# Altium PCB harmonicAnalyzerPcb_r002.PcbDoc (continued)
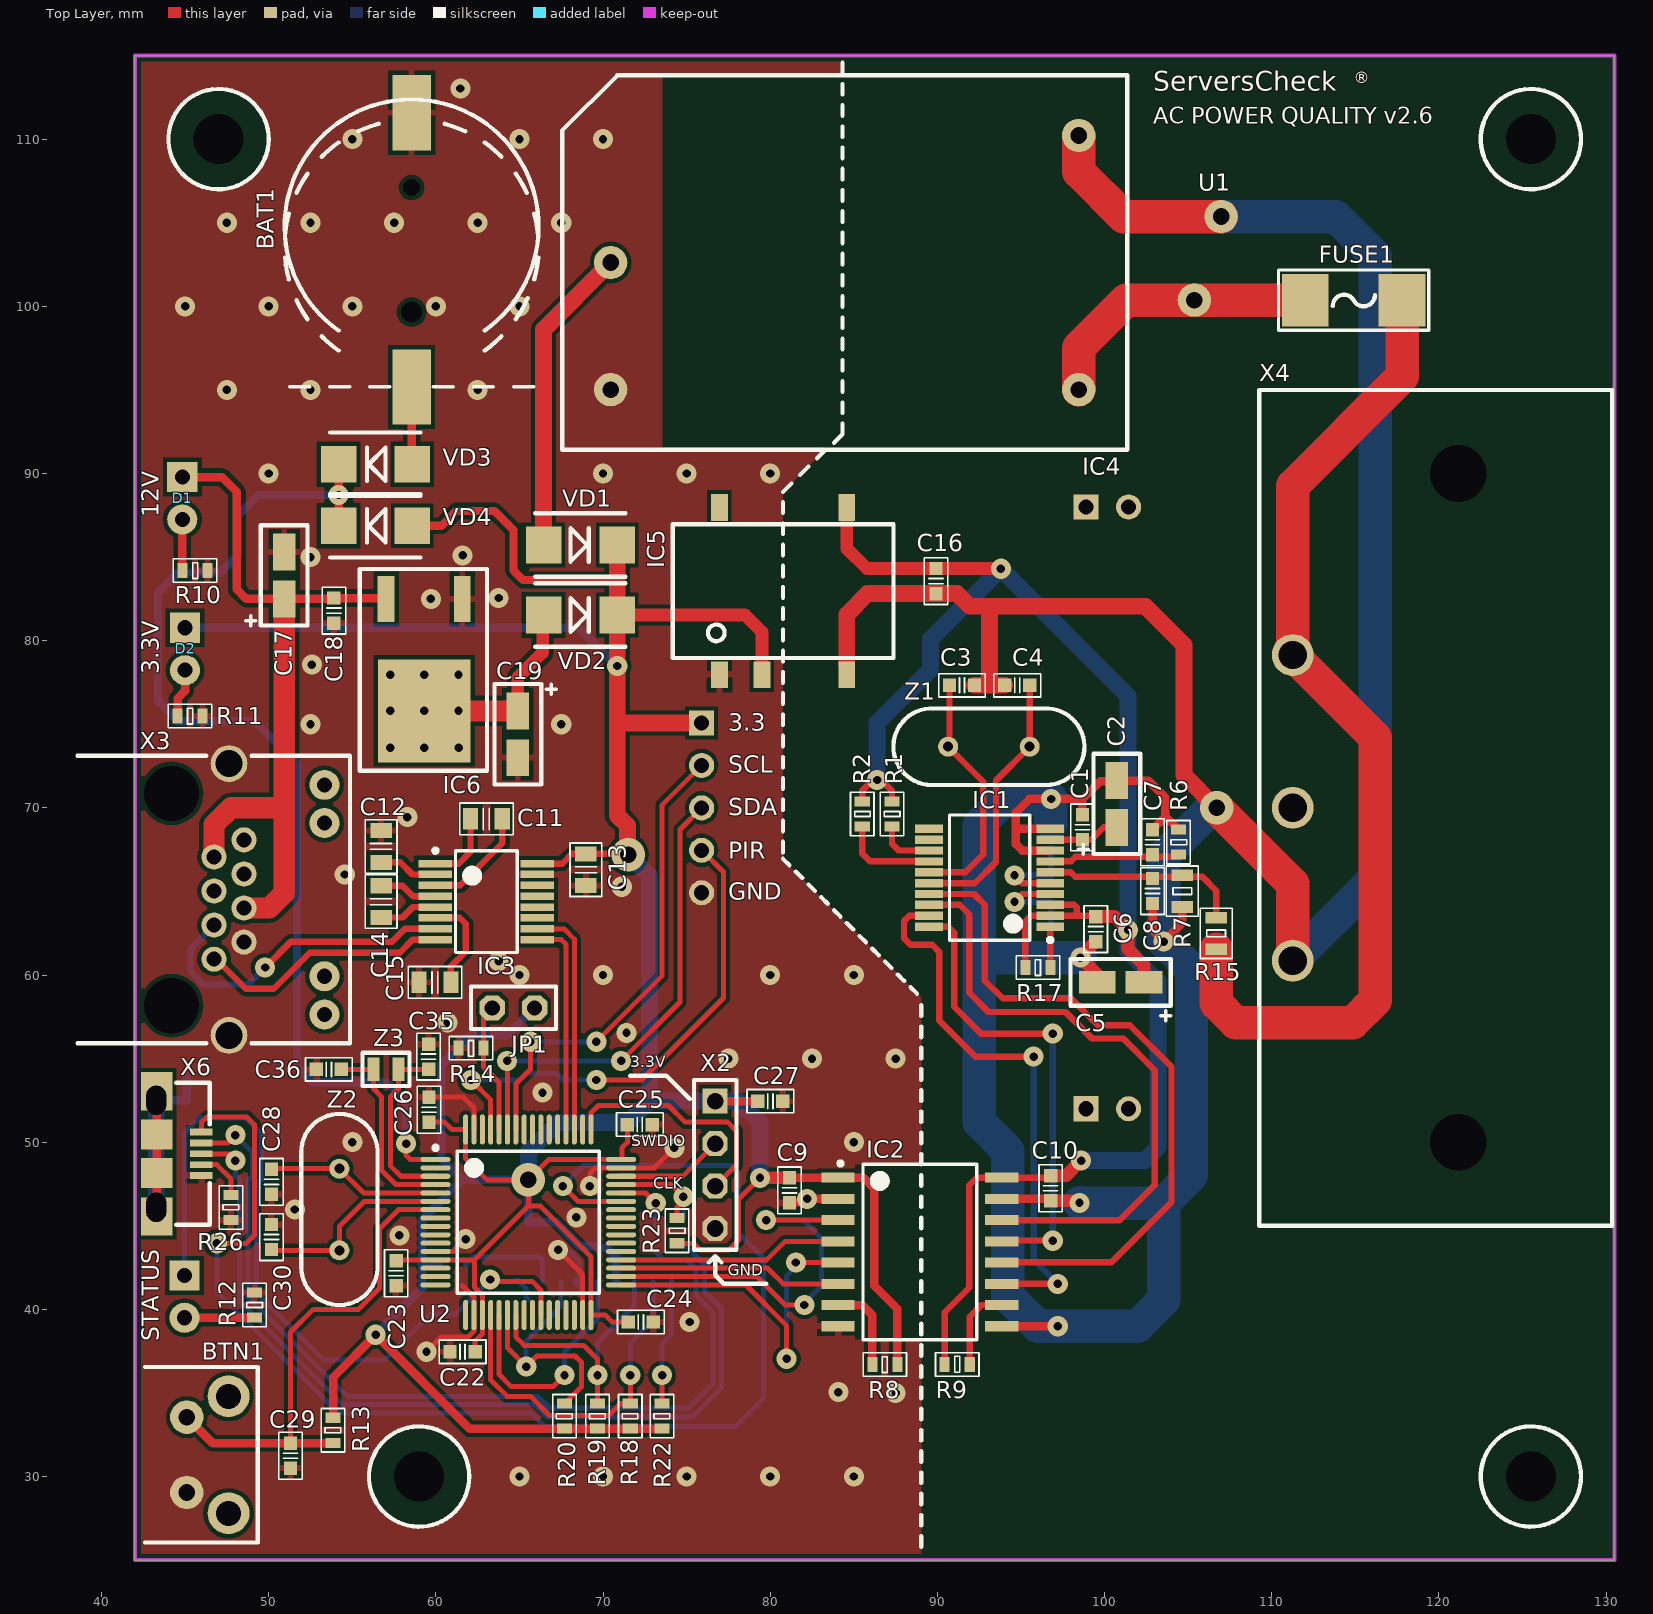
[diagram p0: Top Layer view]
## Part data
BTN1: "Push button"
C1 C3 C4 C6 C7 C8 C9 C10 C16 C18 C22 C23 C24 C25 C26 C27 C28 C29 C30 C31 C34 C35 C36: library part C0603, "Capacitor"
C2 C5 C17 C19 C32 C33: library part "Tantalum Capacitor", "Tantalum Capacitor"
C11 C12 C13 C14 C15: library part C0805, "Capacitor"
IC1: library part ADE7753ARSZ, "Data Acquisition ADC/DAC"
IC2: "Quad-Channel Digital Isolators"
IC3: "RS-232 Line Driver/Receiver With ±15-kV ESD Protection"
IC4: library part AC/DC
IC5: library part "TES 1-0511", "Isolated DC/DC Converter", Link=https://eu.mouser.com/ProductDetail/TRACO-Power/TES-1-0511?qs=sGAEpiMZZMsF1ODjcwEocH3QqeL6%2foLAEyBjyRDduFs%3d
IC6: "1A LOW DROPOUT VOLTAGE REGULATOR"
JP1: library part JP-2, "Jumper Pins", Type=PLS-2
R1 R2 R3 R4 R5 R6 R8 R9 R10 R11 R12 R13 R14 R17 R18 R19 R20 R21 R22 R23 R24 R25 R26 R27: library part R0603, "Resistor"
R7 R15: library part R0805, "Resistor"
U2: "ARM Cortex-M3 32-bit MCU, 64 KB Flash, 64 KB Internal RAM, 51 I/Os, 64-pin LQFP, -40 to 85 degC, Tray", I/Os (High Current)=51, Operating Frequency(F) (Processor speed) (MHz)=72, Supplier Part Number 1=497-8922-ND, Supply Voltage(Vcc) min (V)=2, A/D Converter="2x12-bit (16 Channel)", ComponentLink1Description="Manufacturer URL", ComponentLink1URL=http://www.st.com/web/en/home.html, ComponentLink2Description=Datasheet, ComponentLink2URL=http://www.st.com/st-web-ui/static/active/en/resource/technical/document/datasheet/CD00220364.pdf, ComponentLink3Description="Package Specification", ComponentLink3URL=http://www.st.com/st-web-ui/static/active/en/resource/technical/document/datasheet/DM00037051.pdf, Core="ARM Cortex-M3", D/A Converter="2x12-bit (2 Channel)", DatasheetVersion="Rev. 6", FLASH Size (Prog) (kB)=64, Internal RAM Size (kB)=64, Mounting Technology="Surface Mount", PackageDescription="64-Pin Low Profile Quad Flat Package, 10 x 10 mm Body, 0.5 mm Pitch", PackageReference=LQFP64, PackageVersion="Rev. 4, 06/2013", Packing=Tray, PartNumber=STM32F105R8T6, Supplier 1=Digi-Key, Supplier 2=Farnell, Supplier 3=Newark, Supplier 4=Newark, Supplier 5=Mouser, Supplier Part Number 2=1737131, Supplier Part Number 3=52R2327, Supplier Part Number 4=25R9439, Supplier Part Number 5=511-STM32F105R8T6
VD1 VD2 VD3 VD4: library part Schottky, "SCHOTTKY BARRIER RECTIFIER"
X1: "Header, 5-Pin", LatestRevisionDate=17-Jul-2002, LatestRevisionNote="Re-released for DXP Platform.", Publisher="Altium Limited"
X3: "Jack Modular Connector"
X5: library part "Micro SD socket", "Micro SD socket"
X7 X8: "Header, 2-Pin", LatestRevisionDate=17-Jul-2002, LatestRevisionNote="Re-released for DXP Platform.", Publisher="Altium Limited"
Z1 Z2 Z3: library part XTAL, "Quartz resonator"

## Free pads (board coordinates)
  round 0 hole 3 unplated: 0(47,110) 0(59,30) 0(125.5,30) 0(125.5,110)

## Via types
v1: diameter 1.2, hole 0.5, Top Layer to Bottom Layer, tented both sides, 64 vias
v2: diameter 1.2, hole 0.5, Top Layer to Bottom Layer, 44 vias
v3: diameter 2, hole 1, Top Layer to Bottom Layer, 3 vias
v4: diameter 1.2, hole 0.5, Top Layer to Bottom Layer, tented top, 3 vias
v5: diameter 1.2, hole 0.5, Top Layer to Bottom Layer, tented bottom, 2 vias

## Nets (pads, with @x,y where several pads share a name; then routed paths per layer and width w, separated by ;. In a path a pad name is that pad's centre, name@x,y a point inside that pad or via, vN(x,y) a via of type N, cw(c..) or ccw(c..) an arc to the next point about the centre after c; other vN are vias at no path point)
3.3V: C9.2 C13.2 C22.1 C23.1 C24.1 C25.1 C26.1 C27.1 C31.1 C32.1 D2.A IC2.1 IC3.16 IC5.2 JP1.2 R8.2 R13.1 R18.2 R19.2 R20.2 R21.2 R22.2 R23.1 U2.13 U2.19 U2.32 U2.48 U2.64 VD1.C VD2.C VD4.A X1.1 X2.1 X5.4 | length 259.6
  Top Layer w0.3: C23.1 57.673,42.962 U2.13 62.306,42.962 ; C26.1 60.529,51.193 60.96,50.762 U2.64 61.782,49.018 63.048,47.752 v3(65.532,47.752) 65.532,46.188 ; C22.1@62.484,37.604 C22.1 62.345,38.088 62.782,38.525 U2.19 62.782,40.85 62.306,41.326 62.306,42.962 ; v3@65.54,47.752 66.75,48.962 U2.48 71.12,48.962 71.12,49.657 71.45,49.987 C25.1 ; C24.1 70.545,39.243 70.126,39.662 U2.32 69.282,43.151 66.244,46.188 65.532,46.188 ; R23.1 75.426,43.954 75.819,43.561 77.533,43.561 78.105,44.133 78.105,46.585 v2(79.387,47.867) ; 62.306,42.962 65.532,46.188
  Top Layer w0.381: IC3.16 67.554,66.665 68.133,67.244 C13.2 71.456,67.244 v3(71.5,67.2)
  Top Layer w0.5: VD4.A 60.325,86.868 61.214,87.757 63.5,87.757 64.643,86.614 64.643,84.201 65.215,83.629 70.85,83.629
  Top Layer w0.508: R13.1 53.848,35.928 v2(56.401,38.481) 62.02,32.862 R20.2 R19.2 R18.2 R22.2 ; X2.1 C27.1 ; C9.2 81.165,47.879 IC2.1 85.572,47.879 86.233,47.218 86.233,41.402 87.606,40.029 R8.2
  Top Layer w0.762: VD2.C 78.486,81.534 79.502,80.518 IC5.2 ; v2(79.387,47.867) C9.2
  Top Layer w1.016: VD1.C 70.85,83.629 VD2.C v2(70.85,78.486) 70.85,75.08 ; v3@71.456,67.244 71.456,68.937 70.85,69.543 70.85,75.08 ; X1.1 70.85,75.08
  Bottom Layer w0.3: 59.182,42.684 R21.2
  Bottom Layer w0.5: 61.57,47.752 60.325,48.997 60.325,54.658 62.058,56.391 64.265,56.391 JP1.2
  Bottom Layer w0.508: D2.A 68.564,80.772 v2(70.85,78.486) ; v2(56.401,38.481) 56.388,38.481 59.182,41.275 59.182,42.684 59.182,45.364 61.57,47.752 v3(65.532,47.752) 65.532,45.215 C32.1 67.188,45.212 68.636,43.764 69.618,43.764 C31.1 70.219,43.7 70.782,43.137 X5.4
  Bottom Layer w1.016: v3(65.532,47.752) 65.532,49.403 67.31,51.181 71.501,51.181 72.771,52.451 ; v3(71.5,67.2) 72.771,65.929 72.771,52.451 ; v2(79.387,47.867) 79.387,51.169 78.105,52.451 X2.1 72.771,52.451
5.0V: U2.43 X6.1 | length 82
  Top Layer w0.3: X6.1 45.974,51.174 46.3,51.5 48.7,51.5 49.149,51.051 49.149,44.449 48.654,43.954 v4(46.9,43.954) ; v2(67.598,47.367) 68.502,46.462 U2.43
  Bottom Layer w0.3: v4(46.9,43.954) 46.9,41.057 54.157,33.8 65.7,33.8 66.5,33 77.953,33 79.6,34.647 79.6,43.061 78.105,44.556 78.105,48.2 77.705,48.6 68.831,48.6 v2(67.598,47.367)
5VDC: C5.1 C6.2 C10.2 C16.2 IC1.2 IC1.3 IC2.16 IC5.5 R1.2 R2.2 R9.2 R17.1 | length 108.4
  Top Layer w0.381: R2.2 85.504,71.034 86.131,71.661 v2(86.393,71.661) 86.651,71.661 87.282,71.03 R1.2 ; R9.2 90.436,39.823 91.9,41.287 91.9,47.425 92.354,47.879 IC2.16 C10.2@96.659,47.879 ; R17.1 95.262,63.207 95.599,63.544 IC1.2 98.331,63.544 ; IC1.3 98.19,64.194 98.331,64.053 98.331,63.544 ; C6.2 99.425,63.544 98.331,63.544
  Top Layer w0.762: IC5.5 84.582,85.518 85.784,84.316 C16.2 93.784,84.316 v2(93.8,84.3) ; C10.2 97.694,47.994 v2(98.6,48.9) ; C6.2 100.6,63.495 v2(101.402,62.693) 101.402,61.539 102.365,60.576 C5.1
  Bottom Layer w1.016: v2(86.393,71.661) 86.393,75.066 89.6,78.273 89.6,80.1 v2(93.8,84.3) 101.402,76.698 v2(101.402,62.693) 101.402,61.398 103.2,59.6 103.2,49.7 102.4,48.9 v2(98.6,48.9)
12V: C17.1 C18.2 D1.A IC6.3 X3.4 X3.7 | length 45.6
  Top Layer w0.508: D1.A 47.211,89.789 48.1,88.9 48.1,83.061 48.661,82.5 C17.1 53.85,82.5 C18.2 56.97,82.55 IC6.3
  Top Layer w1.27: X3.7 46.736,68.993 47.752,70.009 50.832,70.009 50.927,70.104 ; X3.4@48.516,64.004 50.034,64.004 50.927,64.897 50.927,70.104 ; C17.1 50.927,70.104
CS: IC1.17 IC2.12 | length 41.1
  Top Layer w0.381: IC1.17 92.187,64.844 92.837,64.194 92.837,59.663 93.9,58.6 97.991,58.6 99.591,57 101.507,57 104,54.507 104,46.4 100.413,42.813 IC2.12@93.906,42.813
DIN: IC1.20 IC2.13 | length 28
  Top Layer w0.381: IC1.20 90.636,62.894 91,62.53 91,58.098 92.604,56.494 v2(96.9,56.494) ; IC2.13@93.906,44.083 93.948,44.125 v2(96.9,44.104)
  Bottom Layer w0.381: v2(96.9,44.104) v2(96.9,56.494)
DOUT: IC1.19 IC2.11 | length 33.2
  Top Layer w0.381: IC1.19 88.314,63.544 88,63.23 88,62.197 88.392,61.805 89.69,61.805 90.1,61.395 90.1,57.3 92.282,55.118 v2(95.758,55.118) ; IC2.11@93.906,41.543 93.924,41.525 v2(97.2,41.525)
  Bottom Layer w0.381: 95.758,42.962 v2(95.758,55.118) ; 95.758,42.967 v2(97.2,41.525)
EN1: IC2.7 R8.1 | length 5.3
  Top Layer w0.508: IC2.7 85.504,40.259 86.106,39.657 R8.1
EN2: IC2.10 R9.1 | length 5.1
  Top Layer w0.381: R9.1 91.936,39.557 92.638,40.259 IC2.10
GND: BAT1.- BTN1.2 C9.1 C12.1 C13.1 C15.1 C17.2 C18.1 C19.2 C22.2 C23.2 C24.2 C25.2 C26.2 C27.2 C28.1 C29.1 C30.1 C31.2 C32.2 C33.2 C34.2 C35.1 C36.1 IC2.2 IC2.8 IC3.15 IC4.3 IC5.1 IC6.1 R10.2 R11.2 R12.2 R14.1 R26.2 R27.2 U2.12 U2.18 U2.31 U2.47 U2.63 X1.5 X2.4 X3.2 X3.13 X5.0 X5.6 X6.5 | length 30.9
  Top Layer w0.3: v1(59.436,37.465) 60.325,38.354 61.951,38.354 62.282,38.685 U2.18 62.282,40.728 61.596,41.414 ; C26.2 61.64,52.693 62.282,52.051 U2.63 ; U2.12 61.046,43.462 v1(61.78,44.196) ; v1(67.31,43.561) 68.782,42.089 U2.31 ; v1(69.215,47.371) 69.215,48.133 69.544,48.462 U2.47 73.067,48.462 v1(74.264,49.659)
  Top Layer w0.5: C9.1 81.177,46.391 81.99,46.391 v1(82.208,46.609) IC2.2
  Bottom Layer w0.3: X5.0@64.882,41.756 65.4,41.238 65.4,40.732 65.532,40.6 ; v1(67.31,43.561) 67.435,43.436 68.027,43.436 68.582,42.881 X5.6
  Bottom Layer w0.762: X5.6@68.581,41.657 X5.6
  other v1: 65,30 70,30 75,30 80,30 85,30 87.5,35 84.074,35.052 75.184,39.243 57.815,44.423 68.4,45.5 51.562,45.974 55,50 85,50 66.382,52.959 77.5,55 82.5,55 87.5,55 71.4,56.539 60.706,57.15 65,60 70,60 80,60 85,60 63.754,60.833 71.12,65.278 54.551,66.015 58.29,69.444 52.5,75 67.5,75 52.578,78.566 59.7,82.5 63.754,82.55 52.5,85 61.6,85.1 50,90 70,90 75,90 80,90 47.5,95 52.5,95 62.5,95 45,100 50,100 55,100 60,100 65,100 47.5,105 52.5,105 57.5,105 62.5,105 67.5,105 55,110 65,110 70,110 61.468,113.03
INA: IC2.3 U2.34 | length 24.1
  Top Layer w0.3: U2.34 79.196,41.962 80.899,40.259 v2(82.042,40.259) ; v2(79.756,45.339) IC2.3
  Bottom Layer w0.3: v2(79.756,45.339) 81.971,45.339 83.058,44.252 83.058,41.402 82.042,40.386 v2(82.042,40.259)
INB: IC2.4 U2.36 | length 13.4
  Top Layer w0.3: U2.36 79.792,42.962 80.899,44.069 IC2.4
INC: IC2.5 U2.33 | length 21.4
  Top Layer w0.3: U2.33 78.553,41.462 80.987,39.028 v2(80.987,37.045) ; v2(81.534,42.799) IC2.5
  Bottom Layer w0.3: v2(80.987,37.045) 80.987,42.008 81.534,42.555 v2(81.534,42.799)
MISO: R20.1 U2.22 X5.7 | length 16.1
  Top Layer w0.3: U2.22 64.282,37.699 v2(65.405,36.576) 66.04,37.211 68.326,37.211 68.707,36.83 68.707,35.378 R20.1
  Bottom Layer w0.3: v2(65.405,36.576) 65.405,38.1 67.482,40.177 X5.7
MOSI: R19.1 U2.23 X5.3 | length 15.9
  Top Layer w0.3: U2.23 64.782,38.342 65.278,37.846 68.834,37.846 69.671,37.009 v2(69.671,36.068) R19.1
  Bottom Layer w0.3: v2(69.671,36.068) 69.671,38.023 71.882,40.234 X5.3
NetBAT1_+: BAT1.+ VD3.A | length 4.6
  Top Layer w0.5: VD3.A@58.547,90.592 BAT1.+
  Top Layer w1.016: VD3.A@58.547,90.592 VD3.A
NetC1_1: C1.1 C2.1 IC1.9 | length 4.3
  Top Layer w0.381: IC1.9 99.209,68.094 99.946,68.831 C2.1
NetC3_2: C3.2 IC1.15 Z1.2 | length 14.7
  Top Layer w0.381: IC1.15 91.67,66.144 92.742,67.216 92.742,71.556 Z1.2 90.722,73.736 C3.2
NetC4_2: C4.2 IC1.16 Z1.1 | length 15.9
  Top Layer w0.381: IC1.16 92.234,65.494 93.504,66.764 93.504,71.638 Z1.1 95.524,73.658 C4.2
NetC11_1: C11.1 IC3.3 | length 6.5
  Top Layer w0.381: IC3.3 61.456,65.365 63.971,67.88 C11.1
NetC11_2: C11.2 IC3.1 | length 4.4
  Top Layer w0.381: IC3.1 61.359,66.665 62.071,67.377 C11.2
NetC12_2: C12.2 IC3.2 | length 3.5
  Top Layer w0.381: C12.2 57.875,66.742 58.602,66.015 IC3.2
NetC14_1: C14.1 IC3.5 | length 3.3
  Top Layer w0.381: C14.1@56.925,63.44 58.007,63.44 58.632,64.065 IC3.5
NetC14_2: C14.2 IC3.4 | length 3.3
  Top Layer w0.381: C14.2@56.925,65.34 58.007,65.34 58.632,64.715 IC3.4
NetC15_2: C15.2 IC3.6 | length 5.8
  Top Layer w0.381: IC3.6 61.426,63.415 61.782,63.059 61.782,61.401 60.894,60.513 C15.2
NetC19_1: C19.1 IC6.2 VD2.A | length 12
  Top Layer w0.762: C19.1 64.9,77.8 66.386,79.286 66.386,81.47 VD2.A
  Top Layer w1.27: v2(59.3,75.8) C19.1
  other v2: 57.277,73.6 59.3,73.6 61.359,73.6 57.277,75.8 61.353,75.8 57.277,77.966 59.3,77.966 61.353,77.966
NetC33_1: C33.1 U2.1 VD3.C VD4.C | length 65.3
  Top Layer w0.3: v4(58.224,49.911) 58.224,49.218 58.48,48.962 U2.1
  Top Layer w0.5: VD4.C v2(54.188,88.709) VD3.C
  Bottom Layer w0.5: v2(54.188,88.709) 49.385,88.709 48.149,87.474 48.149,85.106 47.117,84.074 44.577,84.074 43.379,82.876 43.379,76.382 44.577,75.184 49.149,75.184 51.689,72.644 51.689,54.483 52.581,53.591 C33.1 57.038,53.591 58.224,52.406 v4(58.224,49.911)
NetC34_1: C34.1 R27.1 X6.0 | length 17.2
  Top Layer w0.5: X6.0@43.299,45.556 43.299,48.156 43.299,50.456 X6.0@43.299,53.056
  Bottom Layer w0.5: X6.0@43.274,52.506 R27.1 C34.1
  Bottom Layer w1: X6.0@43.274,46.106 X6.0@43.274,52.506
NetC35_2: C35.2 U2.3 Z3.2 | length 10.7
  Top Layer w0.3: C35.2 59.551,54.356 Z3.2 57.768,53.216 57.277,52.725 57.277,48.599 57.914,47.962 U2.3
NetC36_2: C36.2 U2.4 Z3.1 | length 11.6
  Top Layer w0.3: C36.2@54.483,54.368 54.495,54.356 Z3.1 56.268,53.206 56.74,52.734 56.74,48.338 57.616,47.462 U2.4
NetD1_C: D1.C R10.1 | length 3.1
  Top Layer w0.508: D1.C 44.831,84.22 R10.1
NetD2_C: D2.C R11.1 | length 2.9
  Top Layer w0.508: R11.1 44.55,76.55 45,77 D2.C
NetD3_C: D3.C R12.1 | length 4.2
  Top Layer w0.508: D3.C@44.958,39.497 49.137,39.497 R12.1
NetFUSE1_1: FUSE1.1 R15.2 X4.1 | length 60.4
  Top Layer w2: R15.2 106.68,58.32 107.85,57.15 114.85,57.15 116.2,58.5 116.2,74.196 X4.1 111.256,89.256 117.8,95.8 FUSE1.1
NetFUSE1_2: FUSE1.2 IC4.1 U1.1 | length 17.2
  Top Layer w2: IC4.1 98.455,97.533 101.292,100.37 U1.1 FUSE1.2
NetIC1_13: IC1.13 R1.1 | length 3.4
  Top Layer w0.381: R1.1 87.282,67.851 87.689,67.444 IC1.13
NetIC1_14: IC1.14 R2.1 | length 5.8
  Top Layer w0.381: R2.1 85.504,67.27 85.98,66.794 IC1.14
NetIC4_4: IC4.4 VD1.A | length 18.5
  Top Layer w1.016: VD1.A 66.45,98.611 IC4.4
NetJP1_1: JP1.1 R14.2 U2.60 | length 7.9
  Top Layer w0.3: JP1.1 62.853,57.519 R14.2 62.853,54.495 63.782,53.566 U2.60
NetR21_1: R21.1 X5.8 | length 6.1
  Bottom Layer w0.3: R21.1 62.238,43.137 66.171,43.137 66.382,42.926 X5.8
NetR22_1: R22.1 X5.1 | length 7.9
  Top Layer w0.3: R22.1 v2(73.533,36.068)
  Bottom Layer w0.3: v2(73.533,36.068) 73.533,37.961 74.082,38.51 X5.1 X5.1@74.082,41.999
NetR23_2: R23.2 R25.1 U2.45 | length 6.7
  Top Layer w0.3: U2.45 74.077,47.462 v1(74.803,46.736) 74.803,46.492 74.422,46.111 R23.2
  Bottom Layer w0.3: R25.1 v1(74.803,46.736)
NetR24_1: R24.1 U2.44 | length 4.2
  Top Layer w0.3: U2.44 72.545,46.962 v1(73.152,46.355) ; v1@72.898,46.355 v1(73.152,46.355) ; v1@73.279,46.228 v1(73.152,46.355)
  Bottom Layer w0.3: R24.1 v1(73.152,46.355)
NetR24_2: R24.2 X6.2 | length 53.7
  Top Layer w0.3: X6.2 47.543,49.956 v2(48.006,50.419)
  Bottom Layer w0.3: v2(48.006,50.419) 49.022,49.403 49.022,47.994 48.768,47.74 48.768,40.732 54.7,34.8 66.1,34.8 66.8,34.1 75.125,34.1 76.581,35.556 76.581,39.796 75.565,40.812 75.565,42.418 75.016,42.967 73.631,42.967 R24.2
NetR25_2: R25.2 X6.3 | length 52.7
  Top Layer w0.3: X6.3 47.595,49.306 v2(48.006,48.895)
  Bottom Layer w0.3: v2(48.006,48.895) 48.006,48.006 48.26,47.752 48.26,40.478 54.438,34.3 65.9,34.3 66.65,33.55 75.333,33.55 77.089,35.306 77.089,40.05 76.073,41.066 76.073,42.684 R25.2
NetR26_1: R26.1 X6.4 | length 3.1
  Top Layer w0.3: X6.4 46.893,48.656 47.752,47.797 R26.1
OSCIN: C28.2 U2.5 Z2.2 | length 10.4
  Top Layer w0.3: C28.2@50.204,48.414 Z2.2 55.681,46.962 U2.5
OSCOUT: C30.2 U2.6 Z2.1 | length 11.8
  Top Layer w0.3: C30.2@50.208,43.534 Z2.1 54.229,44.958 55.733,46.462 U2.6
OUTA: IC1.18 IC2.14 | length 37.2
  Top Layer w0.381: IC1.18 91.336,64.194 91.9,63.63 91.9,58.94 93.055,57.785 97.663,57.785 99.248,56.2 101.107,56.2 103,54.307 103,47.443 100.896,45.339 IC2.14
OUTD: IC2.6 U2.35 | length 13.4
  Top Layer w0.3: U2.35 79.839,42.462 80.772,41.529 IC2.6
PGND: C1.2 C2.2 C3.1 C4.1 C5.2 C6.1 C7.1 C8.1 C10.1 C16.1 IC1.8 IC1.10 IC2.9 IC2.15 IC4.2 IC5.4 R3.1 R5.1 R6.2 R7.2 U1.2 X4.3 | length 245.1
  Top Layer w0.508: IC2.9 v2(97.2,38.989) ; IC2.15 96.659,46.609 C10.1 ; IC1.8 95.086,67.444 94.7,67.83 94.7,68.73 ; IC1.10 94.714,68.744 94.7,68.73 ; C1.2 98.679,70.53 ; C2.2@100.689,71.586 99.735,71.586 98.679,70.53 ; C2.2 102.613,71.631 103.632,70.612 103.632,69.489 ; C8.1@102.87,64.147 102.87,62.668 v2(103.538,62) 104.648,63.11 R7.2@104.648,63.947 ; C7.1 103.632,69.457 103.632,69.489 ; R6.2 103.632,69.489 ; 94.7,68.73 94.7,69.73 95.5,70.53 v2(96.8,70.53) 98.679,70.53
  Top Layer w0.762: C10.1 98.373,46.494 v2(98.5,46.367) ; v2(98.552,61.036) 98.564,61.036 v2@98.609,60.991 ; C6.1 98.609,61.13 v2@98.609,60.991 ; C5.2 99.565,60.035 v2@98.609,60.991
  Top Layer w1: IC5.4@84.582,78.566 84.582,81.578 85.82,82.816 91.176,82.816 91.936,82.056 93.123,82.056 ; C3.1 93.123,77.33 ; C4.1 93.123,77.33 ; v3(106.704,70) 104.75,71.954 104.75,79.75 102.444,82.056 93.123,82.056 ; 93.123,77.33 93.123,82.056
  Top Layer w2: IC4.2 98.455,108.047 101.132,105.37 U1.2 ; v3(106.704,70) 111.256,65.448 X4.3
  Bottom Layer w2: R3.1 96.774,70.504 v2(96.8,70.53) 94.03,70.53 92.5,69 92.5,61.03 ; v2(98.5,46.367) 98.508,46.359 103.53,46.359 103.538,46.367 ; v2(98.552,61.036) 92.506,61.036 92.5,61.03 ; v3@106.42,70 103.538,67.118 v2(103.538,62) 105.2,60.338 105.2,48.029 103.538,46.367 ; U1.2 113.83,105.37 116.2,103 116.2,65.804 X4.3 ; 92.5,61.03 92.5,51.2 94.2,49.5 94.2,40.801 96.012,38.989 v2(97.2,38.989) 101.964,38.989 103.538,40.563 103.538,46.367
PIR_SENSOR: U2.61 X1.4 | length 30.3
  Top Layer w0.3: v4(62.103,53.721) 63.282,52.542 U2.61 ; v2(69.596,53.721) 72.298,53.721 77.2,58.623 77.2,66.16 X1.4
  Bottom Layer w0.3: v4(62.103,53.721) 65.024,53.721 65.405,54.102 67.228,54.102 67.609,53.721 v2(69.596,53.721)
R1OUT: IC3.9 U2.52 | length 12.9
  Top Layer w0.3: IC3.9 67.506,62.115 67.782,61.839 U2.52
RES: IC1.1 R17.2 | length 2.4
  Top Layer w0.381: IC1.1 96.749,60.465 R17.2
RX: IC3.8 X3.1 | length 15.1
  Top Layer w0.381: X3.1@46.863,60.944 48.625,59.182 50.292,59.182 52.451,61.341 57.831,61.341 58.605,62.115 IC3.8
SCL: U2.58 X1.2 | length 28.7
  Top Layer w0.3: U2.58 64.782,53.479 65.659,54.356 v2(65.659,56.007) ; v2(69.596,56.007) 73.536,59.947 73.536,70.176 X1.2
  Bottom Layer w0.3: v2(65.659,56.007) v2(69.596,56.007)
SCLK: U2.21 X5.5 | length 14.5
  Top Layer w0.3: U2.21 63.782,36.112 64.516,35.378 67.001,35.378 v2(67.691,36.068)
  Bottom Layer w0.3: v2(67.691,36.068) 67.691,37.465 69.682,39.456 X5.5
SD_CS: R18.1 U2.20 X5.2 | length 21.4
  Top Layer w0.3: U2.20 63.282,35.778 64.262,34.798 65.659,34.798 66.802,33.655 70.342,33.655 71.049,34.362 R18.1 ; R18.1@71.524,34.258 R18.1 ; v2(71.628,36.068) R18.1
  Bottom Layer w0.3: v2(71.628,36.068) 71.628,37.973 72.982,39.327 X5.2
SDA: U2.59 X1.3 | length 28.1
  Top Layer w0.3: v2(64.262,54.864) 64.282,54.844 U2.59 ; v2(71.082,54.864) 74.6,58.382 74.6,68.7 X1.3
  Bottom Layer w0.3: v2(64.262,54.864) v2(71.082,54.864)
STATUS: D3.A U2.26 | length 45.9
  Top Layer w0.3: v2(63.246,41.783) 63.373,41.656 65.786,41.656 66.282,41.16 U2.26
  Bottom Layer w0.3: D3.A@44.958,42.037 44.958,50.546 45.847,51.435 48.641,51.435 49.53,50.546 49.53,47.748 49.276,47.494 49.276,40.986 53.305,36.957 56.908,36.957 59.686,39.735 61.198,39.735 v2(63.246,41.783)
STM_RESET: BTN1.1 C29.2 R13.2 U2.7 | length 29.8
  Top Layer w0.3: C29.2 51.308,38.641 52.672,40.005 55.372,40.005 56.642,41.275 56.642,44.839 57.765,45.962 U2.7
  Top Layer w0.508: BTN1.1 46.658,31.992 C29.2 53.824,31.992 R13.2
SWCLK: U2.49 X2.3 | length 14.3
  Top Layer w0.3: U2.49 69.282,51.756 69.723,52.197 73.914,52.197 74.918,51.193 77.458,51.193 77.978,50.673 77.978,48.641 X2.3
SWDIO: U2.46 X2.2 | length 6.4
  Top Layer w0.3: U2.46 74.759,47.962 X2.2
T1IN: IC3.10 U2.51 | length 13.9
  Top Layer w0.3: IC3.10 67.664,62.765 68.282,62.147 U2.51
TX: IC3.7 X3.3 | length 19.7
  Top Layer w0.381: v1(49.784,60.452) 51.332,62 57.39,62 58.155,62.765 IC3.7
  Bottom Layer w0.381: X3.3 45.339,61.589 45.339,60.198 46.101,59.436 48.768,59.436 v1(49.784,60.452)
V1N: IC1.5 R3.2 R4.2 | length 6.2
  Top Layer w0.381: v5(94.615,65.958) 95.079,65.494 IC1.5
  Bottom Layer w0.381: v5(94.615,65.958) 96.717,65.958 R4.2 R3.2
V1P: IC1.4 R4.1 R5.2 | length 6.2
  Top Layer w0.381: v5(94.615,64.38) 95.079,64.844 IC1.4
  Bottom Layer w0.381: v5(94.615,64.38) 96.753,64.38 R4.1 R5.2
V2N: C7.2 IC1.7 R6.1 | length 7.8
  Top Layer w0.381: IC1.7 97.97,66.794 98.242,67.066 R6.1@104.426,67.066
V2P: C8.2 IC1.6 R7.1 R15.1 | length 12
  Top Layer w0.381: IC1.6 97.97,66.144 98.242,65.872 104.648,65.872 105.856,65.872 106.68,65.048 R15.1 ; R15.1@106.194,63.35 R15.1@106.204,63.34
pads on no net: BAT1.0 BAT1.1 BTN1.0 IC1.11 IC1.12 IC3.11 IC3.12 IC3.13 IC3.14 IC5.8 U2.2 U2.8 U2.9 U2.10 U2.11 U2.14 U2.15 U2.16 U2.17 U2.24 U2.25 U2.27 U2.28 U2.29 U2.30 U2.37 U2.38 U2.39 U2.40 U2.41 U2.42 U2.50 U2.53 U2.54 U2.55 U2.56 U2.57 U2.62 X3.0 X3.5 X3.6 X3.8 X3.9 X3.10 X3.11 X3.12 X4.0 X4.2 X5.9 X5.10 X7.1 X7.2 X8.1 X8.2

## Polygon pours and split planes (outlines as drawn)
GND on Top Layer "TOP_GND" (solid, remove dead copper, pour order 0): 42.037,115 84.328,115 84.328,92.456 80.76,88.888 80.76,66.929 89.027,58.674 89.027,25 42.019,25 42,25.019
NetC19_1 on Bottom Layer "BTN_NETC19_1" (solid, remove dead copper, pour order 2): 56.2,79.2 62.4,79.2 62.4,72.4 56.2,72.4
GND on Bottom Layer "BTM-GND" (solid, remove dead copper, pour order 4): 42.037,115 84.328,115 84.328,92.456 80.76,88.888 80.76,66.929 89.027,58.674 89.027,25 42.019,25 42,25.019

## Keep-outs
Keep-Out Layer:
  the board outline again, w0.254

## Other copper
Top Layer:
  pour cut-out: 59,33 cw(c59,30) 61.991,30.238 cw(c58.752,30.238) 58.991,27.009 cw(c58.991,30) 56,30 cw(c59,30)
  pour cut-out: 125.5,33 cw(c125.5,30) 128.491,30.238 cw(c125.252,30.238) 125.491,27.009 cw(c125.491,30) 122.5,30 cw(c125.5,30)
  pour cut-out: 125.5,113 cw(c125.5,110) 128.491,110.238 cw(c125.252,110.238) 125.491,107.009 cw(c125.491,110) 122.5,110 cw(c125.5,110)
  pour cut-out: 47,113 cw(c47,110) 49.991,110.238 cw(c46.752,110.238) 46.991,107.009 cw(c46.991,110) 44,110 cw(c47,110)
  pour cut-out: 74.16,86.9 87.241,86.9 87.241,79.026 74.16,79.026
  pour cut-out: 73.545,113.792 101.346,113.792 101.346,91.567 73.545,91.567
  pour cut-out: 85.047,48.684 92.837,48.684 92.837,38.184 85.047,38.184
  region: 58.19,82.169
Bottom Layer:
  pour cut-out: 47,113 cw(c47,110) 49.991,110.238 cw(c46.752,110.238) 46.991,107.009 cw(c46.991,110) 44,110 cw(c47,110)
  pour cut-out: 59,33 cw(c59,30) 61.991,30.238 cw(c58.752,30.238) 58.991,27.009 cw(c58.991,30) 56,30 cw(c59,30)
  pour cut-out: 125.5,33 cw(c125.5,30) 128.491,30.238 cw(c125.252,30.238) 125.491,27.009 cw(c125.491,30) 122.5,30 cw(c125.5,30)
  pour cut-out: 125.5,113 cw(c125.5,110) 128.491,110.238 cw(c125.252,110.238) 125.491,107.009 cw(c125.491,110) 122.5,110 cw(c125.5,110)
  pour cut-out: 74.168,86.903 87.249,86.903 87.249,79.029 74.168,79.029
  pour cut-out: 73.533,113.792 101.346,113.792 101.346,91.567 73.533,91.567
  pour cut-out: 85.047,48.684 92.837,48.684 92.837,38.184 85.047,38.184

## Silkscreen, mask and mechanical layers (free items; w line width, h text height)
Top Overlay:
  circle w0.254: c59,30 r3
  circle w0.254: c125.5,30 r3
  circle w0.254: c125.5,110 r3
  circle w0.254: c47,110 r3
  lines w0.254: 71.628,53.975 73.787,53.975 75.184,52.578 ; 76.327,42.799 76.708,43.18 ; 77.089,42.799 76.708,43.18 ; 79.756,41.529 77.216,41.529 76.708,42.037 76.708,43.18 ; 80.772,66.948 81.153,66.564 ; 80.772,67.329 80.772,67.964 ; 80.772,68.599 80.772,69.234 ; 80.772,69.869 80.772,70.504 ; 80.772,71.139 80.772,71.774 ; 80.772,72.409 80.772,73.044 ; 80.772,73.679 80.772,74.314 ; 80.772,74.949 80.772,75.584 ; 80.772,76.219 80.772,76.854 ; 80.772,77.489 80.772,78.124 ; 80.772,78.759 80.772,79.394 ; 80.772,80.029 80.772,80.664 ; 80.772,81.299 80.772,81.934 ; 80.772,82.569 80.772,83.204 ; 80.772,83.839 80.772,84.474 ; 80.772,85.109 80.772,85.744 ; 80.772,86.379 80.772,87.014 ; 80.772,87.649 80.772,88.284 ; 80.772,88.9 81.28,89.408 ; 81.534,66.18 81.915,65.796 ; 81.788,89.916 82.296,90.424 ; 82.296,65.412 82.677,65.028 ; 82.804,90.908 83.312,91.416 ; 83.058,64.644 83.439,64.26 ; 83.82,63.876 84.201,63.492 ; 83.82,91.84 84.328,92.348 84.328,92.983 ; 84.328,93.618 84.328,94.253 ; 84.328,94.888 84.328,95.523 ; 84.328,96.158 84.328,96.793 ; 84.328,97.428 84.328,98.063 ; 84.328,98.698 84.328,99.333 ; 84.328,99.968 84.328,100.603 ; 84.328,101.238 84.328,101.873 ; 84.328,102.508 84.328,103.143 ; 84.328,103.778 84.328,104.413 ; 84.328,105.048 84.328,105.683 ; 84.328,106.318 84.328,106.953 ; 84.328,107.588 84.328,108.223 ; 84.328,108.858 84.328,109.493 ; 84.328,110.128 84.328,110.763 ; 84.328,111.398 84.328,112.033 ; 84.328,112.668 84.328,113.303 ; 84.328,113.938 84.328,114.573 ; 84.582,63.108 84.963,62.724 ; 85.344,62.34 85.725,61.956 ; 86.106,61.572 86.487,61.188 ; 86.868,60.804 87.249,60.42 ; 87.63,60.036 88.011,59.652 ; 88.392,59.268 88.773,58.884 ; 89.027,25.8 89.027,26.435 ; 89.027,27.07 89.027,27.705 ; 89.027,28.34 89.027,28.975 ; 89.027,29.61 89.027,30.245 ; 89.027,30.88 89.027,31.515 ; 89.027,32.15 89.027,32.785 ; 89.027,33.42 89.027,34.055 ; 89.027,34.69 89.027,35.325 ; 89.027,35.96 89.027,36.595 ; 89.027,37.23 89.027,37.865 ; 89.027,38.5 89.027,39.135 ; 89.027,39.77 89.027,40.405 ; 89.027,41.04 89.027,41.675 ; 89.027,42.31 89.027,42.945 ; 89.027,43.58 89.027,44.215 ; 89.027,44.85 89.027,45.485 ; 89.027,46.12 89.027,46.755 ; 89.027,47.39 89.027,48.025 ; 89.027,48.66 89.027,49.295 ; 89.027,49.93 89.027,50.565 ; 89.027,51.2 89.027,51.835 ; 89.027,52.47 89.027,53.105 ; 89.027,53.74 89.027,54.375 ; 89.027,55.01 89.027,55.645 ; 89.027,56.28 89.027,56.915 ; 89.027,57.55 89.027,58.185
  text "®" at 114.9,113.1 h1.2
  text "ServersCheck" at 102.9,112.5 h2
  text "AC POWER QUALITY v2.6" at 102.9,110.6 h1.7
  text "12V" at 43.434,87.376 h1.02 r90
  text "3.3V" at 43.434,77.978 h1.02 r90
  text "3.3" at 77.5,74.6 h1.02
  text "SCL" at 77.5,72.1 h1.02
  text "SDA" at 77.5,69.569 h1.02
  text "PIR" at 77.5,66.948 h1.02
  text "GND" at 77.5,64.5 h1.02
  text "3.3V" at 71.628,54.229 h1.14
  text "SWDIO" at 71.674,49.53 h1.14
  text "CLK" at 72.998,46.987 h1.14
  text "GND" at 77.47,41.783 h1.14
  text "STATUS" at 43.434,38.1 h1.02 r90
Bottom Overlay:
  lines w0.254: 80.772,66.929 81.153,66.545 ; 80.772,67.31 80.772,67.945 ; 80.772,68.58 80.772,69.215 ; 80.772,69.85 80.772,70.485 ; 80.772,71.12 80.772,71.755 ; 80.772,72.39 80.772,73.025 ; 80.772,73.66 80.772,74.295 ; 80.772,74.93 80.772,75.565 ; 80.772,76.2 80.772,76.835 ; 80.772,77.47 80.772,78.105 ; 80.772,78.74 80.772,79.375 ; 80.772,80.01 80.772,80.645 ; 80.772,81.28 80.772,81.915 ; 80.772,82.55 80.772,83.185 ; 80.772,83.82 80.772,84.455 ; 80.772,85.09 80.772,85.725 ; 80.772,86.36 80.772,86.995 ; 80.772,87.63 80.772,88.265 ; 80.772,88.9 81.28,89.408 ; 81.534,66.161 81.915,65.777 ; 81.788,89.897 82.296,90.405 ; 82.296,65.393 82.677,65.009 ; 82.804,90.889 83.312,91.397 ; 83.058,64.625 83.439,64.241 ; 83.82,63.857 84.201,63.473 ; 83.82,91.821 84.328,92.329 84.328,92.964 ; 84.328,93.599 84.328,94.234 ; 84.328,94.869 84.328,95.504 ; 84.328,96.139 84.328,96.774 ; 84.328,97.409 84.328,98.044 ; 84.328,98.679 84.328,99.314 ; 84.328,99.949 84.328,100.584 ; 84.328,101.219 84.328,101.854 ; 84.328,102.489 84.328,103.124 ; 84.328,103.759 84.328,104.394 ; 84.328,105.029 84.328,105.664 ; 84.328,106.299 84.328,106.934 ; 84.328,107.569 84.328,108.204 ; 84.328,108.839 84.328,109.474 ; 84.328,110.109 84.328,110.744 ; 84.328,111.379 84.328,112.014 ; 84.328,112.649 84.328,113.284 ; 84.328,113.919 84.328,114.554 ; 84.582,63.089 84.963,62.705 ; 85.344,62.321 85.725,61.937 ; 86.106,61.553 86.487,61.169 ; 86.868,60.785 87.249,60.401 ; 87.63,60.017 88.011,59.633 ; 88.392,59.249 88.773,58.865 ; 89.027,25.781 89.027,26.416 ; 89.027,27.051 89.027,27.686 ; 89.027,28.321 89.027,28.956 ; 89.027,29.591 89.027,30.226 ; 89.027,30.861 89.027,31.496 ; 89.027,32.131 89.027,32.766 ; 89.027,33.401 89.027,34.036 ; 89.027,34.671 89.027,35.306 ; 89.027,35.941 89.027,36.576 ; 89.027,37.211 89.027,37.846 ; 89.027,38.481 89.027,39.116 ; 89.027,39.751 89.027,40.386 ; 89.027,41.021 89.027,41.656 ; 89.027,42.291 89.027,42.926 ; 89.027,43.561 89.027,44.196 ; 89.027,44.831 89.027,45.466 ; 89.027,46.101 89.027,46.736 ; 89.027,47.371 89.027,48.006 ; 89.027,48.641 89.027,49.276 ; 89.027,49.911 89.027,50.546 ; 89.027,51.181 89.027,51.816 ; 89.027,52.451 89.027,53.086 ; 89.027,53.721 89.027,54.356 ; 89.027,54.991 89.027,55.626 ; 89.027,56.261 89.027,56.896 ; 89.027,57.531 89.027,58.166

## Dimensions
125.5,110 to 130.5,115 on Mechanical 1
125.5,30 to 130.5,25 on Mechanical 1
42,25 to 130.5,25 on Mechanical 1
130.5,25 to 130.5,115 on Mechanical 1
47,110 to 42,115 on Mechanical 1
47,110 to 42,115 on Mechanical 1
42,25 to 59,30 on Mechanical 1
125.5,30 to 130.5,25 on Mechanical 1